# Allegro board S071AA-0413-20260427_Power3.brd (continued)
## Routing (per net, layer and track width the routed paths; a pad name or vN(x,y) marks a point on that pad's centre or on a via; arc(x,y) is an arc through that point) (continued)
118.18,332.74 ; CSDPS225.B6 117.11,333.81 ; 268.44,368.3 D111.B4 ; D111.B4 269.51,369.37 ; D111.B4 269.51,367.23 ; D111.B4 270.58,368.3 ; D108.B6 250.26,40.64 ; D108.B6 249.19,39.57 ; D108.B6 249.19,41.71 ; D108.B6 248.12,40.64 ; 248.12,60.96 D107.B6 ; D107.B6 250.26,60.96 ; D107.B6 249.19,59.89 ; D107.B6 249.19,62.03 ; D115.B2 200.93,369.37 ; D115.B2 200.93,367.23 ; D115.B2 199.86,368.3 ; D115.B2 202,368.3 ; 244.11,39.57 D108.B4 ; D108.B4 244.11,41.71 ; D108.B4 245.18,40.64 ; D108.B4 243.04,40.64 ; 192.24,53.34 D103.A13 ; D103.A13 193.31,54.41 ; D103.A13 194.38,53.34 ; D103.A13 193.31,52.27 ; UHC230.G3_6 49.79,351.79 ; UHC230.G3_6 48.98,350.98 ; UHC230.G3_6 48.98,352.6 ; UHC230.G3_6 48.17,351.79 ; 51.07,77.67 D118.B15 ; D118.B15 51.07,79.81 ; D118.B15 50,78.74 ; D118.B15 52.14,78.74 ; D113.B15 168.98,330.2 ; D113.B15 167.91,331.27 ; D113.B15 166.84,330.2 ; D113.B15 167.91,329.13 ; 118.58,406.4 D428.A5 ; D428.A5 119.65,405.33 ; D428.A5 120.72,406.4 ; D428.A5 119.65,407.47 ; D427.A1 129.81,387.15 ; D427.A1 130.88,386.08 ; D427.A1 128.74,386.08 ; D427.A1 129.81,385.01 ; 52.54,368.3 D231.B2 ; D231.B2 54.68,368.3 ; D231.B2 53.61,369.37 ; D231.B2 53.61,367.23 ; D102.B11 188.23,79.81 ; D102.B11 187.16,78.74 ; D102.B11 188.23,77.67 ; D102.B11 189.3,78.74 ; D114.B14 170.45,349.05 ; D114.B14 169.38,347.98 ; D114.B14 171.52,347.98 ; D114.B14 170.45,346.91 ; D105.B4 245.18,101.6 ; D105.B4 243.04,101.6 ; D105.B4 244.11,100.53 ; D105.B4 244.11,102.67 ; 113.5,58.42 D123.B11 ; D123.B11 115.64,58.42 ; D123.B11 114.57,57.35 ; D123.B11 114.57,59.49 ; 18.05,54.81 D119.A2 ; D119.A2 18.05,56.95 ; D119.A2 19.12,55.88 ; D119.A2 16.98,55.88 ; 23.13,341.83 CSDPS429.B14 ; CSDPS429.B14 23.13,343.97 ; CSDPS429.B14 22.06,342.9 ; CSDPS429.B14 24.2,342.9 ; 88.1,78.74 D122.B1 ; D122.B1 89.17,77.67 ; D122.B1 89.17,79.81 ; D122.B1 90.24,78.74 ; D122.A9 109.49,74.73 ; D122.A9 108.42,73.66 ; D122.A9 109.49,72.59 ; D122.A9 110.56,73.66 ; 27.14,383.54 D431.A12 ; D431.A12 29.28,383.54 ; D431.A12 28.21,384.61 ; D431.A12 28.21,382.47 ; D111.A10 254.27,374.45 ; D111.A10 254.27,372.31 ; D111.A10 253.2,373.38 ; D111.A10 255.34,373.38 ; D120.A6 28.21,36.63 ; D120.A6 28.21,34.49 ; D120.A6 27.14,35.56 ; D120.A6 29.28,35.56 ; 190.77,372.31 D115.A6 ; D115.A6 189.7,373.38 ; D115.A6 190.77,374.45 ; D115.A6 191.84,373.38 ; D117.B6 28.21,102.67 ; D117.B6 27.14,101.6 ; D117.B6 28.21,100.53 ; D117.B6 29.28,101.6 ; D104.A3 167.91,34.09 ; D104.A3 167.91,31.95 ; D104.A3 166.84,33.02 ; D104.A3 168.98,33.02 ; 127.27,382.47 D427.A2 ; D427.A2 128.34,383.54 ; D427.A2 127.27,384.61 ; D427.A2 126.2,383.54 ; 123.66,396.24 D228.A3 ; D228.A3 124.73,395.17 ; D228.A3 124.73,397.31 ; D228.A3 125.8,396.24 ; 240.5,99.06 D105.B3 ; D105.B3 241.57,97.99 ; D105.B3 241.57,100.13 ; D105.B3 242.64,99.06 ; 91.71,100.53 D121.B2 ; D121.B2 90.64,101.6 ; D121.B2 92.78,101.6 ; D121.B2 91.71,102.67 ; 99.33,77.67 D122.B5 ; D122.B5 98.26,78.74 ; D122.B5 99.33,79.81 ; D122.B5 100.4,78.74 ; D431.A1 56.15,387.15 ; D431.A1 55.08,386.08 ; D431.A1 56.15,385.01 ; D431.A1 57.22,386.08 ; D118.A1 16.58,73.66 ; D118.A1 14.44,73.66 ; D118.A1 15.51,72.59 ; D118.A1 15.51,74.73 ; 192.24,78.74 D102.B13 ; D102.B13 194.38,78.74 ; D102.B13 193.31,79.81 ; D102.B13 193.31,77.67 ; 112.03,402.79 D428.A8 ; D428.A8 110.96,403.86 ; D428.A8 112.03,404.93 ; D428.A8 113.1,403.86 ; 98.26,19.05 DPS3.C05 ; DPS3.C05 99.33,20.12 ; DPS3.C05 100.4,19.05 ; DPS3.C05 99.33,17.98 ; 167.91,72.59 D102.A3 ; D102.A3 167.91,74.73 ; D102.A3 168.98,73.66 ; D102.A3 166.84,73.66 ; D121.B14 123.26,101.6 ; D121.B14 121.12,101.6 ; D121.B14 122.19,102.67 ; D121.B14 122.19,100.53 ; 24.6,93.98 D117.A5 ; D117.A5 26.74,93.98 ; D117.A5 25.67,95.05 ; D117.A5 25.67,92.91 ; 47.46,35.56 D120.A14 ; D120.A14 49.6,35.56 ; D120.A14 48.53,36.63 ; D120.A14 48.53,34.49 ; D117.A16 54.68,96.52 ; D117.A16 52.54,96.52 ; D117.A16 53.61,97.59 ; D117.A16 53.61,95.45 ; 122.19,392.63 D228.A4 ; D228.A4 121.12,393.7 ; D228.A4 122.19,394.77 ; D228.A4 123.26,393.7 ; DPS3.B05 99.33,17.58 ; DPS3.B05 98.26,16.51 ; DPS3.B05 100.4,16.51 ; DPS3.B05 99.33,15.44 ; 55.08,415.29 DPS8.A01 ; DPS8.A01 56.15,416.36 ; DPS8.A01 57.22,415.29 ; DPS8.A01 56.15,414.22 ; 270.98,370.84 D111.B3 ; D111.B3 272.05,369.77 ; D111.B3 273.12,370.84 ; D111.B3 272.05,371.91 ; D108.B11 262.96,38.1 ; D108.B11 261.89,37.03 ; D108.B11 260.82,38.1 ; D108.B11 261.89,39.17 ; 179.54,332.74 D113.A10 ; D113.A10 180.61,333.81 ; D113.A10 181.68,332.74 ; D113.A10 180.61,331.67 ; D112.B16 239.03,389.69 ; D112.B16 237.96,388.62 ; D112.B16 240.1,388.62 ; D112.B16 239.03,387.55 ; 18.05,75.13 D118.A2 ; D118.A2 18.05,77.27 ; D118.A2 19.12,76.2 ; D118.A2 16.98,76.2 ; CSDPS426.B16 91.71,364.29 ; CSDPS426.B16 91.71,362.15 ; CSDPS426.B16 92.78,363.22 ; CSDPS426.B16 90.64,363.22 ; D427.A17 90.24,386.08 ; D427.A17 89.17,387.15 ; D427.A17 89.17,385.01 ; D427.A17 88.1,386.08 ; 15.73,349.23 UHC230.G4_10 ; UHC230.G4_10 14.92,350.04 ; UHC230.G4_10 15.73,350.85 ; UHC230.G4_10 16.54,350.04 ; D103.B12 190.77,62.03 ; D103.B12 191.84,60.96 ; D103.B12 189.7,60.96 ; D103.B12 190.77,59.89 ; D105.B1 237.56,99.06 ; D105.B1 236.49,100.13 ; D105.B1 235.42,99.06 ; D105.B1 236.49,97.99 ; 48.53,39.57 D120.B14 ; D120.B14 47.46,40.64 ; D120.B14 48.53,41.71 ; D120.B14 49.6,40.64 ; D111.A12 250.26,373.38 ; D111.A12 249.19,374.45 ; D111.A12 248.12,373.38 ; D111.A12 249.19,372.31 ; D102.B5 172.99,79.81 ; D102.B5 172.99,77.67 ; D102.B5 174.06,78.74 ; D102.B5 171.92,78.74 ; D432.A15 20.59,407.47 ; D432.A15 21.66,406.4 ; D432.A15 19.52,406.4 ; D432.A15 20.59,405.33 ; 272.05,354.53 D110.A3 ; D110.A3 270.98,355.6 ; D110.A3 273.12,355.6 ; D110.A3 272.05,356.67 ; D124.B14 123.26,40.64 ; D124.B14 122.19,39.57 ; D124.B14 122.19,41.71 ; D124.B14 121.12,40.64 ; CSDPS429.B6 44.52,342.9 ; CSDPS429.B6 42.38,342.9 ; CSDPS429.B6 43.45,343.97 ; CSDPS429.B6 43.45,341.83 ; D227.B14 97.86,368.3 ; D227.B14 96.79,367.23 ; D227.B14 96.79,369.37 ; D227.B14 95.72,368.3 ; D102.A8 181.68,76.2 ; D102.A8 179.54,76.2 ; D102.A8 180.61,77.27 ; D102.A8 180.61,75.13 ; D101.A7 178.07,95.05 ; D101.A7 179.14,93.98 ; D101.A7 177,93.98 ; D101.A7 178.07,92.91 ; 248.12,327.66 D109.B12 ; D109.B12 249.19,328.73 ; D109.B12 250.26,327.66 ; D109.B12 249.19,326.59 ; 254.27,346.91 D110.B10 ; D110.B10 253.2,347.98 ; D110.B10 255.34,347.98 ; D110.B10 254.27,349.05 ; D102.A9 183.15,74.73 ; D102.A9 183.15,72.59 ; D102.A9 182.08,73.66 ; D102.A9 184.22,73.66 ; UHC430.G2_11 48.98,359.26 ; UHC430.G2_11 49.79,358.45 ; UHC430.G2_11 48.17,358.45 ; UHC430.G2_11 48.98,357.64 ; 48.53,341.83 CSDPS429.B4 ; CSDPS429.B4 49.6,342.9 ; CSDPS429.B4 47.46,342.9 ; CSDPS429.B4 48.53,343.97 ; 256.81,334.21 D109.A9 ; D109.A9 256.81,336.35 ; D109.A9 257.88,335.28 ; D109.A9 255.74,335.28 ; 174.46,373.38 D115.A12 ; D115.A12 176.6,373.38 ; D115.A12 175.53,372.31 ; D115.A12 175.53,374.45 ; 94.25,349.45 CSDPS226.C15 ; CSDPS226.C15 94.25,351.59 ; CSDPS226.C15 95.32,350.52 ; CSDPS226.C15 93.18,350.52 ; 266.97,31.95 D108.A13 ; D108.A13 268.04,33.02 ; D108.A13 265.9,33.02 ; D108.A13 266.97,34.09 ; 119.65,395.17 D228.A5 ; D228.A5 118.58,396.24 ; D228.A5 119.65,397.31 ; D228.A5 120.72,396.24 ; 259.35,75.13 D106.A10 ; D106.A10 259.35,77.27 ; D106.A10 260.42,76.2 ; D106.A10 258.28,76.2 ; 101.87,402.79 D428.A12 ; D428.A12 100.8,403.86 ; D428.A12 102.94,403.86 ; D428.A12 101.87,404.93 ; D123.B12 117.11,62.03 ; D123.B12 118.18,60.96 ; D123.B12 116.04,60.96 ; D123.B12 117.11,59.89 ; D118.A7 31.82,73.66 ; D118.A7 30.75,74.73 ; D118.A7 30.75,72.59 ; D118.A7 29.68,73.66 ; 274.59,351.99 D110.A2 ; D110.A2 275.66,353.06 ; D110.A2 273.52,353.06 ; D110.A2 274.59,354.13 ; 90.64,76.2 D122.A2 ; D122.A2 91.71,77.27 ; D122.A2 91.71,75.13 ; D122.A2 92.78,76.2 ; UHC230.G4_8 15.39,351.79 ; UHC230.G4_8 14.58,352.6 ; UHC230.G4_8 14.58,350.98 ; UHC230.G4_8 13.77,351.79 ; 253.2,96.52 D105.A8 ; D105.A8 254.27,97.59 ; D105.A8 254.27,95.45 ; D105.A8 255.34,96.52 ; UHC430.G2_10 46.34,360.2 ; UHC430.G2_10 45.53,361.01 ; UHC430.G2_10 44.72,360.2 ; UHC430.G2_10 45.53,359.39 ; 240.5,330.2 D109.B15 ; D109.B15 242.64,330.2 ; D109.B15 241.57,331.27 ; D109.B15 241.57,329.13 ; 198.39,37.03 D104.B15 ; D104.B15 197.32,38.1 ; D104.B15 198.39,39.17 ; D104.B15 199.46,38.1 ; 243.04,368.3 D111.B14 ; D111.B14 245.18,368.3 ; D111.B14 244.11,369.37 ; D111.B14 244.11,367.23 ; 100.8,96.52 D121.A6 ; D121.A6 101.87,95.45 ; D121.A6 101.87,97.59 ; D121.A6 102.94,96.52 ; 37.3,383.54 D431.A8 ; D431.A8 38.37,384.61 ; D431.A8 38.37,382.47 ; D431.A8 39.44,383.54 ; 55.08,410.21 DPS8.C01 ; DPS8.C01 57.22,410.21 ; DPS8.C01 56.15,409.14 ; DPS8.C01 56.15,411.28 ; D118.B7 31.82,78.74 ; D118.B7 30.75,77.67 ; D118.B7 30.75,79.81 ; D118.B7 29.68,78.74 ; 237.96,368.3 D111.B16 ; D111.B16 240.1,368.3 ; D111.B16 239.03,367.23 ; D111.B16 239.03,369.37 ; 23.13,331.67 CSDPS229.B14 ; CSDPS229.B14 24.2,332.74 ; CSDPS229.B14 23.13,333.81 ; CSDPS229.B14 22.06,332.74 ; D121.A11 114.57,95.05 ; D121.A11 115.64,93.98 ; D121.A11 114.57,92.91 ; D121.A11 113.5,93.98 ; D107.B4 245.18,60.96 ; D107.B4 244.11,59.89 ; D107.B4 244.11,62.03 ; D107.B4 243.04,60.96 ; D102.B16 200.93,82.35 ; D102.B16 202,81.28 ; D102.B16 199.86,81.28 ; D102.B16 200.93,80.21 ; D107.B14 270.58,60.96 ; D107.B14 269.51,62.03 ; D107.B14 268.44,60.96 ; D107.B14 269.51,59.89 ; 129.81,349.45 CSDPS226.C1 ; CSDPS226.C1 130.88,350.52 ; CSDPS226.C1 128.74,350.52 ; CSDPS226.C1 129.81,351.59 ; D117.B14 48.53,102.67 ; D117.B14 49.6,101.6 ; D117.B14 48.53,100.53 ; D117.B14 47.46,101.6 ; 124.73,359.61 CSDPS426.C3 ; CSDPS426.C3 124.73,361.75 ; CSDPS426.C3 125.8,360.68 ; CSDPS426.C3 123.66,360.68 ; D431.A4 48.53,384.61 ; D431.A4 48.53,382.47 ; D431.A4 49.6,383.54 ; D431.A4 47.46,383.54 ; 121.12,81.28 D122.B14 ; D122.B14 122.19,80.21 ; D122.B14 122.19,82.35 ; D122.B14 123.26,81.28 ; D228.B7 114.57,392.23 ; D228.B7 115.64,391.16 ; D228.B7 114.57,390.09 ; D228.B7 113.5,391.16 ; D112.A15 241.57,397.31 ; D112.A15 240.5,396.24 ; D112.A15 242.64,396.24 ; D112.A15 241.57,395.17 ; D119.A1 16.58,53.34 ; D119.A1 15.51,54.41 ; D119.A1 15.51,52.27 ; D119.A1 14.44,53.34 ; UHC430.G1_9 18.84,360.2 ; UHC430.G1_9 18.03,361.01 ; UHC430.G1_9 17.22,360.2 ; UHC430.G1_9 18.03,359.39 ; D113.A15 168.98,335.28 ; D113.A15 166.84,335.28 ; D113.A15 167.91,334.21 ; D113.A15 167.91,336.35 ; CSDPS425.C15 95.32,340.36 ; CSDPS425.C15 94.25,341.43 ; CSDPS425.C15 94.25,339.29 ; CSDPS425.C15 93.18,340.36 ; 112.03,387.55 D228.B8 ; D228.B8 110.96,388.62 ; D228.B8 112.03,389.69 ; D228.B8 113.1,388.62 ; D101.B16 202,101.6 ; D101.B16 199.86,101.6 ; D101.B16 200.93,102.67 ; D101.B16 200.93,100.53 ; 116.04,378.46 D427.B6 ; D427.B6 117.11,377.39 ; D427.B6 117.11,379.53 ; D427.B6 118.18,378.46 ; 105.88,393.7 D228.A10 ; D228.A10 106.95,394.77 ; D228.A10 108.02,393.7 ; D228.A10 106.95,392.63 ; D120.A8 33.29,36.63 ; D120.A8 34.36,35.56 ; D120.A8 32.22,35.56 ; D120.A8 33.29,34.49 ; D118.A10 38.37,77.27 ; D118.A10 37.3,76.2 ; D118.A10 39.44,76.2 ; D118.A10 38.37,75.13 ; 103.34,38.1 D124.B7 ; D124.B7 104.41,37.03 ; D124.B7 104.41,39.17 ; D124.B7 105.48,38.1 ; D115.B15 167.91,371.91 ; D115.B15 167.91,369.77 ; D115.B15 168.98,370.84 ; D115.B15 166.84,370.84 ; D101.B12 190.77,102.67 ; D101.B12 190.77,100.53 ; D101.B12 191.84,101.6 ; D101.B12 189.7,101.6 ; D116.A16 166.44,393.7 ; D116.A16 164.3,393.7 ; D116.A16 165.37,394.77 ; D116.A16 165.37,392.63 ; D228.A11 104.41,397.31 ; D228.A11 104.41,395.17 ; D228.A11 103.34,396.24 ; D228.A11 105.48,396.24 ; 124.73,390.09 D228.B3 ; D228.B3 124.73,392.23 ; D228.B3 125.8,391.16 ; D228.B3 123.66,391.16 ; D105.B11 261.89,100.13 ; D105.B11 262.96,99.06 ; D105.B11 261.89,97.99 ; D105.B11 260.82,99.06 ; 48.53,372.31 D231.A4 ; D231.A4 48.53,374.45 ; D231.A4 49.6,373.38 ; D231.A4 47.46,373.38 ; D104.A5 172.99,34.09 ; D104.A5 171.92,33.02 ; D104.A5 174.06,33.02 ; D104.A5 172.99,31.95 ; 266.97,329.13 D109.B5 ; D109.B5 265.9,330.2 ; D109.B5 266.97,331.27 ; D109.B5 268.04,330.2 ; 240.5,391.16 D112.B15 ; D112.B15 241.57,392.23 ; D112.B15 241.57,390.09 ; D112.B15 242.64,391.16 ; 265.9,375.92 D111.A5 ; D111.A5 266.97,376.99 ; D111.A5 268.04,375.92 ; D111.A5 266.97,374.85 ; D428.A11 105.48,406.4 ; D428.A11 104.41,405.33 ; D428.A11 103.34,406.4 ; D428.A11 104.41,407.47 ; D114.A16 166.44,353.06 ; D114.A16 165.37,354.13 ; D114.A16 164.3,353.06 ; D114.A16 165.37,351.99 ; DPS1.C01 236.49,20.12 ; DPS1.C01 236.49,17.98 ; DPS1.C01 237.56,19.05 ; DPS1.C01 235.42,19.05 ; D122.B11 115.64,78.74 ; D122.B11 114.57,77.67 ; D122.B11 113.5,78.74 ; D122.B11 114.57,79.81 ; D107.B5 246.65,59.49 ; D107.B5 247.72,58.42 ; D107.B5 246.65,57.35 ; D107.B5 245.58,58.42 ; D231.A13 25.67,376.99 ; D231.A13 24.6,375.92 ; D231.A13 25.67,374.85 ; D231.A13 26.74,375.92 ; D118.A5 25.67,74.73 ; D118.A5 24.6,73.66 ; D118.A5 25.67,72.59 ; D118.A5 26.74,73.66 ; 47.46,60.96 D119.B14 ; D119.B14 49.6,60.96 ; D119.B14 48.53,59.89 ; D119.B14 48.53,62.03 ; D101.B11 188.23,100.13 ; D101.B11 187.16,99.06 ; D101.B11 189.3,99.06 ; D101.B11 188.23,97.99 ; 241.57,77.67 D106.B3 ; D106.B3 240.5,78.74 ; D106.B3 241.57,79.81 ; D106.B3 242.64,78.74 ; 174.46,101.6 D101.B6 ; D101.B6 176.6,101.6 ; D101.B6 175.53,100.53 ; D101.B6 175.53,102.67 ; DPS1.C11 262.96,19.05 ; DPS1.C11 260.82,19.05 ; DPS1.C11 261.89,20.12 ; DPS1.C11 261.89,17.98 ; D432.B15 20.59,402.39 ; D432.B15 19.52,401.32 ; D432.B15 20.59,400.25 ; D432.B15 21.66,401.32 ; 258.28,347.98 D110.B8 ; D110.B8 259.35,349.05 ; D110.B8 259.35,346.91 ; D110.B8 260.42,347.98 ; 53.61,331.67 CSDPS229.B2 ; CSDPS229.B2 54.68,332.74 ; CSDPS229.B2 53.61,333.81 ; CSDPS229.B2 52.54,332.74 ; 94.25,395.17 D228.A15 ; D228.A15 95.32,396.24 ; D228.A15 94.25,397.31 ; D228.A15 93.18,396.24 ; 193.31,31.95 D104.A13 ; D104.A13 193.31,34.09 ; D104.A13 194.38,33.02 ; D104.A13 192.24,33.02 ; UHC230.G3_2 47.49,355.29 ; UHC230.G3_2 46.68,354.48 ; UHC230.G3_2 46.68,356.1 ; UHC230.G3_2 45.87,355.29 ; 22.06,383.54 D431.A14 ; D431.A14 23.13,384.61 ; D431.A14 24.2,383.54 ; D431.A14 23.13,382.47 ; 113.5,330.2 CSDPS225.C7 ; CSDPS225.C7 114.57,331.27 ; CSDPS225.C7 114.57,329.13 ; CSDPS225.C7 115.64,330.2 ; 14.44,375.92 D231.A17 ; D231.A17 15.51,374.85 ; D231.A17 16.58,375.92 ; D231.A17 15.51,376.99 ; CSDPS429.C3 51.07,341.43 ; CSDPS429.C3 52.14,340.36 ; CSDPS429.C3 51.07,339.29 ; CSDPS429.C3 50,340.36 ; 43.45,39.57 D120.B12 ; D120.B12 42.38,40.64 ; D120.B12 43.45,41.71 ; D120.B12 44.52,40.64 ; 99.33,390.09 D228.B13 ; D228.B13 98.26,391.16 ; D228.B13 99.33,392.23 ; D228.B13 100.4,391.16 ; D115.B14 171.52,368.3 ; D115.B14 170.45,367.23 ; D115.B14 170.45,369.37 ; D115.B14 169.38,368.3 ; D431.A11 31.82,386.08 ; D431.A11 30.75,387.15 ; D431.A11 30.75,385.01 ; D431.A11 29.68,386.08 ; 246.65,52.27 D107.A5 ; D107.A5 246.65,54.41 ; D107.A5 247.72,53.34 ; D107.A5 245.58,53.34 ; 192.24,335.28 D113.A5 ; D113.A5 194.38,335.28 ; D113.A5 193.31,334.21 ; D113.A5 193.31,336.35 ; 194.78,76.2 D102.A14 ; D102.A14 195.85,75.13 ; D102.A14 195.85,77.27 ; D102.A14 196.92,76.2 ; D108.B9 257.88,38.1 ; D108.B9 255.74,38.1 ; D108.B9 256.81,39.17 ; D108.B9 256.81,37.03 ; 237.96,55.88 D107.A2 ; D107.A2 239.03,54.81 ; D107.A2 239.03,56.95 ; D107.A2 240.1,55.88 ; D104.A10 185.69,36.63 ; D104.A10 186.76,35.56 ; D104.A10 185.69,34.49 ; D104.A10 184.62,35.56 ; D106.A7 251.73,74.73 ; D106.A7 250.66,73.66 ; D106.A7 252.8,73.66 ; D106.A7 251.73,72.59 ; 98.26,73.66 D122.A5 ; D122.A5 99.33,74.73 ; D122.A5 99.33,72.59 ; D122.A5 100.4,73.66 ; 20.59,31.95 D120.A3 ; D120.A3 19.52,33.02 ; D120.A3 21.66,33.02 ; D120.A3 20.59,34.09 ; D115.A4 195.85,374.45 ; D115.A4 194.78,373.38 ; D115.A4 195.85,372.31 ; D115.A4 196.92,373.38 ; 124.73,379.93 D427.B3 ; D427.B3 125.8,381 ; D427.B3 124.73,382.07 ; D427.B3 123.66,381 ; D118.A13 45.99,74.73 ; D118.A13 47.06,73.66 ; D118.A13 45.99,72.59 ; D118.A13 44.92,73.66 ; D121.A2 92.78,96.52 ; D121.A2 91.71,95.45 ; D121.A2 90.64,96.52 ; D121.A2 91.71,97.59 ; D116.A1 203.47,397.31 ; D116.A1 203.47,395.17 ; D116.A1 204.54,396.24 ; D116.A1 202.4,396.24 ; DPS1.C05 247.72,19.05 ; DPS1.C05 246.65,20.12 ; DPS1.C05 245.58,19.05 ; DPS1.C05 246.65,17.98 ; 259.35,351.99 D110.A8 ; D110.A8 259.35,354.13 ; D110.A8 260.42,353.06 ; D110.A8 258.28,353.06 ; D110.B14 245.18,347.98 ; D110.B14 244.11,349.05 ; D110.B14 244.11,346.91 ; D110.B14 243.04,347.98 ; D118.B6 29.28,81.28 ; D118.B6 28.21,82.35 ; D118.B6 28.21,80.21 ; D118.B6 27.14,81.28 ; D118.B8 34.36,81.28 ; D118.B8 32.22,81.28 ; D118.B8 33.29,82.35 ; D118.B8 33.29,80.21 ; 50,58.42 D119.B15 ; D119.B15 52.14,58.42 ; D119.B15 51.07,57.35 ; D119.B15 51.07,59.49 ; 250.66,370.84 D111.B11 ; D111.B11 251.73,369.77 ; D111.B11 251.73,371.91 ; D111.B11 252.8,370.84 ; D121.A9 110.56,93.98 ; D121.A9 109.49,95.05 ; D121.A9 109.49,92.91 ; D121.A9 108.42,93.98 ; 243.04,373.38 D111.A14 ; D111.A14 244.11,372.31 ; D111.A14 244.11,374.45 ; D111.A14 245.18,373.38 ; D105.B9 257.88,99.06 ; D105.B9 256.81,100.13 ; D105.B9 255.74,99.06 ; D105.B9 256.81,97.99 ; D118.B12 43.45,82.35 ; D118.B12 42.38,81.28 ; D118.B12 43.45,80.21 ; D118.B12 44.52,81.28 ; D428.B15 95.32,401.32 ; D428.B15 94.25,402.39 ; D428.B15 93.18,401.32 ; D428.B15 94.25,400.25 ; 32.22,60.96 D119.B8 ; D119.B8 33.29,59.89 ; D119.B8 34.36,60.96 ; D119.B8 33.29,62.03 ; 179.54,353.06 D114.A10 ; D114.A10 181.68,353.06 ; D114.A10 180.61,354.13 ; D114.A10 180.61,351.99 ; D124.B5 99.33,39.17 ; D124.B5 100.4,38.1 ; D124.B5 99.33,37.03 ; D124.B5 98.26,38.1 ; UHC230.G4_12 17.69,348.29 ; UHC230.G4_12 16.88,347.48 ; UHC230.G4_12 16.07,348.29 ; UHC230.G4_12 16.88,349.1 ; DPS2.B01 203.47,413.82 ; DPS2.B01 202.4,412.75 ; DPS2.B01 203.47,411.68 ; DPS2.B01 204.54,412.75 ; 129.81,390.09 D228.B1 ; D228.B1 128.74,391.16 ; D228.B1 129.81,392.23 ; D228.B1 130.88,391.16 ; D109.A12 249.19,333.81 ; D109.A12 250.26,332.74 ; D109.A12 249.19,331.67 ; D109.A12 248.12,332.74 ; 96.79,331.67 CSDPS225.B14 ; CSDPS225.B14 95.72,332.74 ; CSDPS225.B14 96.79,333.81 ; CSDPS225.B14 97.86,332.74 ; 259.35,95.45 D105.A10 ; D105.A10 260.42,96.52 ; D105.A10 258.28,96.52 ; D105.A10 259.35,97.59 ; 39.84,78.74 D118.B11 ; D118.B11 41.98,78.74 ; D118.B11 40.91,77.67 ; D118.B11 40.91,79.81 ; D227.B17 90.24,370.84 ; D227.B17 88.1,370.84 ; D227.B17 89.17,371.91 ; D227.B17 89.17,369.77 ; UHC230.G3_11 48.98,349.1 ; UHC230.G3_11 49.79,348.29 ; UHC230.G3_11 48.17,348.29 ; UHC230.G3_11 48.98,347.48 ; D232.A1 56.15,397.31 ; D232.A1 56.15,395.17 ; D232.A1 57.22,396.24 ; D232.A1 55.08,396.24 ; 124.73,52.27 D123.A15 ; D123.A15 125.8,53.34 ; D123.A15 123.66,53.34 ; D123.A15 124.73,54.41 ; 269.51,387.55 D112.B4 ; D112.B4 269.51,389.69 ; D112.B4 268.44,388.62 ; D112.B4 270.58,388.62 ; 38.37,80.21 D118.B10 ; D118.B10 37.3,81.28 ; D118.B10 39.44,81.28 ; D118.B10 38.37,82.35 ; 53.61,54.81 D119.A16 ; D119.A16 52.54,55.88 ; D119.A16 53.61,56.95 ; D119.A16 54.68,55.88 ; 258.28,332.74 D109.A8 ; D109.A8 259.35,333.81 ; D109.A8 260.42,332.74 ; D109.A8 259.35,331.67 ; D117.A14 48.53,97.59 ; D117.A14 47.46,96.52 ; D117.A14 49.6,96.52 ; D117.A14 48.53,95.45 ; 273.52,101.6 D105.B16 ; D105.B16 274.59,102.67 ; D105.B16 275.66,101.6 ; D105.B16 274.59,100.53 ; 20.59,97.99 D117.B3 ; D117.B3 21.66,99.06 ; D117.B3 19.52,99.06 ; D117.B3 20.59,100.13 ; 51.07,92.91 D117.A15 ; D117.A15 52.14,93.98 ; D117.A15 50,93.98 ; D117.A15 51.07,95.05 ; D104.A14 195.85,36.63 ; D104.A14 194.78,35.56 ; D104.A14 196.92,35.56 ; D104.A14 195.85,34.49 ; D103.B5 172.99,59.49 ; D103.B5 172.99,57.35 ; D103.B5 174.06,58.42 ; D103.B5 171.92,58.42 ; 187.16,350.52 D114.B7 ; D114.B7 189.3,350.52 ; D114.B7 188.23,351.59 ; D114.B7 188.23,349.45 ; D116.B1 204.54,391.16 ; D116.B1 203.47,390.09 ; D116.B1 202.4,391.16 ; D116.B1 203.47,392.23 ; D231.A11 30.75,376.99 ; D231.A11 29.68,375.92 ; D231.A11 31.82,375.92 ; D231.A11 30.75,374.85 ; UHC230.G3_9 48.64,350.04 ; UHC230.G3_9 47.02,350.04 ; UHC230.G3_9 47.83,350.85 ; UHC230.G3_9 47.83,349.23 ; 246.65,77.67 D106.B5 ; D106.B5 247.72,78.74 ; D106.B5 246.65,79.81 ; D106.B5 245.58,78.74 ; 194.78,332.74 D113.A4 ; D113.A4 195.85,333.81 ; D113.A4 195.85,331.67 ; D113.A4 196.92,332.74 ; 22.06,378.46 D431.B14 ; D431.B14 24.2,378.46 ; D431.B14 23.13,379.53 ; D431.B14 23.13,377.39 ; 166.84,350.52 D114.B15 ; D114.B15 168.98,350.52 ; D114.B15 167.91,351.59 ; D114.B15 167.91,349.45 ; D123.A12 118.18,55.88 ; D123.A12 117.11,56.95 ; D123.A12 117.11,54.81 ; D123.A12 116.04,55.88 ; 101.87,362.15 CSDPS426.B12 ; CSDPS426.B12 100.8,363.22 ; CSDPS426.B12 102.94,363.22 ; CSDPS426.B12 101.87,364.29 ; 258.28,393.7 D112.A8 ; D112.A8 259.35,394.77 ; D112.A8 259.35,392.63 ; D112.A8 260.42,393.7 ; 14.58,347.48 UHC230.G4_13 ; UHC230.G4_13 15.39,348.29 ; UHC230.G4_13 13.77,348.29 ; UHC230.G4_13 14.58,349.1 ; D110.B5 266.97,351.59 ; D110.B5 265.9,350.52 ; D110.B5 266.97,349.45 ; D110.B5 268.04,350.52 ; 183.15,369.77 D115.B9 ; D115.B9 182.08,370.84 ; D115.B9 184.22,370.84 ; D115.B9 183.15,371.91 ; D108.B13 268.04,38.1 ; D108.B13 266.97,37.03 ; D108.B13 265.9,38.1 ; D108.B13 266.97,39.17 ; 99.33,405.33 D428.A13 ; D428.A13 99.33,407.47 ; D428.A13 100.4,406.4 ; D428.A13 98.26,406.4 ; CSDPS229.B4 48.53,333.81 ; CSDPS229.B4 49.6,332.74 ; CSDPS229.B4 48.53,331.67 ; CSDPS229.B4 47.46,332.74 ; 50,370.84 D231.B3 ; D231.B3 52.14,370.84 ; D231.B3 51.07,371.91 ; D231.B3 51.07,369.77 ; 198.39,31.95 D104.A15 ; D104.A15 197.32,33.02 ; D104.A15 198.39,34.09 ; D104.A15 199.46,33.02 ; 45.99,92.91 D117.A13 ; D117.A13 45.99,95.05 ; D117.A13 44.92,93.98 ; D117.A13 47.06,93.98 ; 178.07,374.85 D115.A11 ; D115.A11 177,375.92 ; D115.A11 179.14,375.92 ; D115.A11 178.07,376.99 ; D103.B6 175.53,62.03 ; D103.B6 174.46,60.96 ; D103.B6 176.6,60.96 ; D103.B6 175.53,59.89 ; D119.A5 26.74,53.34 ; D119.A5 25.67,54.41 ; D119.A5 25.67,52.27 ; D119.A5 24.6,53.34 ; UHC430.G2_13 44.38,359.26 ; UHC430.G2_13 45.19,358.45 ; UHC430.G2_13 44.38,357.64 ; UHC430.G2_13 43.57,358.45 ; 161.76,78.74 D102.B1 ; D102.B1 162.83,79.81 ; D102.B1 163.9,78.74 ; D102.B1 162.83,77.67 ; D102.A13 194.38,73.66 ; D102.A13 192.24,73.66 ; D102.A13 193.31,72.59 ; D102.A13 193.31,74.73 ; D115.A10 181.68,373.38 ; D115.A10 180.61,372.31 ; D115.A10 180.61,374.45 ; D115.A10 179.54,373.38 ; D431.A3 52.14,386.08 ; D431.A3 51.07,387.15 ; D431.A3 50,386.08 ; D431.A3 51.07,385.01 ; 277.13,329.13 D109.B1 ; D109.B1 277.13,331.27 ; D109.B1 276.06,330.2 ; D109.B1 278.2,330.2 ; D428.A9 109.49,407.47 ; D428.A9 108.42,406.4 ; D428.A9 110.56,406.4 ; D428.A9 109.49,405.33 ; D123.B15 125.8,58.42 ; D123.B15 124.73,59.49 ; D123.B15 123.66,58.42 ; D123.B15 124.73,57.35 ; 51.07,329.13 CSDPS229.C3 ; CSDPS229.C3 51.07,331.27 ; CSDPS229.C3 50,330.2 ; CSDPS229.C3 52.14,330.2 ; D108.A14 269.51,36.63 ; D108.A14 268.44,35.56 ; D108.A14 270.58,35.56 ; D108.A14 269.51,34.49 ; D123.A3 95.32,53.34 ; D123.A3 94.25,52.27 ; D123.A3 93.18,53.34 ; D123.A3 94.25,54.41 ; D428.B2 128.34,398.78 ; D428.B2 126.2,398.78 ; D428.B2 127.27,397.71 ; D428.B2 127.27,399.85 ; CSDPS226.B2 128.34,353.06 ; CSDPS226.B2 127.27,354.13 ; CSDPS226.B2 126.2,353.06 ; CSDPS226.B2 127.27,351.99 ; D123.B13 120.72,58.42 ; D123.B13 119.65,57.35 ; D123.B13 118.58,58.42 ; D123.B13 119.65,59.49 ; 122.19,54.81 D123.A14 ; D123.A14 122.19,56.95 ; D123.A14 121.12,55.88 ; D123.A14 123.26,55.88 ; DPS8.A11 31.82,415.29 ; DPS8.A11 29.68,415.29 ; DPS8.A11 30.75,414.22 ; D431.B17 16.58,381 ; D431.B17 15.51,379.93 ; D431.B17 15.51,382.07 ; D431.B17 14.44,381 ; CSDPS425.B6 117.11,343.97 ; CSDPS425.B6 118.18,342.9 ; CSDPS425.B6 117.11,341.83 ; CSDPS425.B6 116.04,342.9 ; 190.77,346.91 D114.B6 ; D114.B6 191.84,347.98 ; D114.B6 189.7,347.98 ; D114.B6 190.77,349.05 ; 119.65,92.91 D121.A13 ; D121.A13 118.58,93.98 ; D121.A13 119.65,95.05 ; D121.A13 120.72,93.98 ; 28.21,367.23 D231.B12 ; D231.B12 28.21,369.37 ; D231.B12 29.28,368.3 ; D231.B12 27.14,368.3 ; 14.44,370.84 D231.B17 ; D231.B17 15.51,369.77 ; D231.B17 16.58,370.84 ; D231.B17 15.51,371.91 ; 16.98,40.64 D120.B2 ; D120.B2 19.12,40.64 ; D120.B2 18.05,39.57 ; D120.B2 18.05,41.71 ; 100.8,393.7 D228.A12 ; D228.A12 102.94,393.7 ; D228.A12 101.87,394.77 ; D228.A12 101.87,392.63 ; D108.B1 237.56,38.1 ; D108.B1 235.42,38.1 ; D108.B1 236.49,37.03 ; D108.B1 236.49,39.17 ; 180.61,34.49 D104.A8 ; D104.A8 179.54,35.56 ; D104.A8 181.68,35.56 ; D104.A8 180.61,36.63 ; 269.51,331.67 D109.A4 ; D109.A4 269.51,333.81 ; D109.A4 268.44,332.74 ; D109.A4 270.58,332.74 ; 164.3,373.38 D115.A16 ; D115.A16 165.37,374.45 ; D115.A16 165.37,372.31 ; D115.A16 166.44,373.38 ; 45.87,351.79 UHC230.G3 ; UHC230.G3 47.49,351.79 ; UHC230.G3 46.68,352.6 ; UHC230.G3 46.68,350.98 ; 45.53,362.89 UHC430.G2_5 ; UHC430.G2_5 44.72,363.7 ; UHC430.G2_5 45.53,364.51 ; UHC430.G2_5 46.34,363.7 ; D109.A1 278.2,335.28 ; D109.A1 277.13,336.35 ; D109.A1 277.13,334.21 ; D109.A1 276.06,335.28 ; 40.91,400.25 D432.B7 ; D432.B7 39.84,401.32 ; D432.B7 40.91,402.39 ; D432.B7 41.98,401.32 ; D227.A2 128.34,373.38 ; D227.A2 127.27,372.31 ; D227.A2 126.2,373.38 ; D227.A2 127.27,374.45 ; 243.04,388.62 D112.B14 ; D112.B14 245.18,388.62 ; D112.B14 244.11,389.69 ; D112.B14 244.11,387.55 ; D122.B3 94.25,79.81 ; D122.B3 93.18,78.74 ; D122.B3 94.25,77.67 ; D122.B3 95.32,78.74 ; 98.26,340.36 CSDPS425.C13 ; CSDPS425.C13 99.33,341.43 ; CSDPS425.C13 99.33,339.29 ; CSDPS425.C13 100.4,340.36 ; D102.B14 195.85,82.35 ; D102.B14 196.92,81.28 ; D102.B14 194.78,81.28 ; D102.B14 195.85,80.21 ; 29.68,381 D431.B11 ; D431.B11 30.75,379.93 ; D431.B11 30.75,382.07 ; D431.B11 31.82,381 ; D110.B3 273.12,350.52 ; D110.B3 270.98,350.52 ; D110.B3 272.05,351.59 ; D110.B3 272.05,349.45 ; 101.87,34.49 D124.A6 ; D124.A6 102.94,35.56 ; D124.A6 100.8,35.56 ; D124.A6 101.87,36.63 ; 40.91,385.01 D431.A7 ; D431.A7 39.84,386.08 ; D431.A7 40.91,387.15 ; D431.A7 41.98,386.08 ; D108.A16 274.59,36.63 ; D108.A16 273.52,35.56 ; D108.A16 275.66,35.56 ; D108.A16 274.59,34.49 ; 116.04,398.78 D428.B6 ; D428.B6 118.18,398.78 ; D428.B6 117.11,397.71 ; D428.B6 117.11,399.85 ; 177,38.1 D104.B7 ; D104.B7 178.07,39.17 ; D104.B7 178.07,37.03 ; D104.B7 179.14,38.1 ; UHC430.G1_11 19.99,358.45 ; UHC430.G1_11 19.18,359.26 ; UHC430.G1_11 19.18,357.64 ; UHC430.G1_11 18.37,358.45 ; 126.2,393.7 D228.A2 ; D228.A2 127.27,394.77 ; D228.A2 127.27,392.63 ; D228.A2 128.34,393.7 ; 183.15,97.99 D101.B9 ; D101.B9 182.08,99.06 ; D101.B9 184.22,99.06 ; D101.B9 183.15,100.13 ; D232.A17 16.58,396.24 ; D232.A17 15.51,397.31 ; D232.A17 15.51,395.17 ; D232.A17 14.44,396.24 ; 122.19,402.79 D428.A4 ; D428.A4 121.12,403.86 ; D428.A4 123.26,403.86 ; D428.A4 122.19,404.93 ; D427.B11 105.48,381 ; D427.B11 104.41,382.07 ; D427.B11 104.41,379.93 ; D427.B11 103.34,381 ; 118.58,99.06 D121.B13 ; D121.B13 119.65,100.13 ; D121.B13 120.72,99.06 ; D121.B13 119.65,97.99 ; 40.91,31.95 D120.A11 ; D120.A11 41.98,33.02 ; D120.A11 40.91,34.09 ; D120.A11 39.84,33.02 ; D105.B14 269.51,102.67 ; D105.B14 268.44,101.6 ; D105.B14 270.58,101.6 ; D105.B14 269.51,100.53 ; D105.A5 246.65,95.05 ; D105.A5 247.72,93.98 ; D105.A5 246.65,92.91 ; D105.A5 245.58,93.98 ; 94.25,31.95 D124.A3 ; D124.A3 95.32,33.02 ; D124.A3 94.25,34.09 ; D124.A3 93.18,33.02 ; D107.B8 254.27,62.03 ; D107.B8 255.34,60.96 ; D107.B8 253.2,60.96 ; D107.B8 254.27,59.89 ; CSDPS429.C5 47.06,340.36 ; CSDPS429.C5 45.99,339.29 ; CSDPS429.C5 44.92,340.36 ; CSDPS429.C5 45.99,341.43 ; 90.64,332.74 CSDPS225.B16 ; CSDPS225.B16 91.71,331.67 ; CSDPS225.B16 92.78,332.74 ; CSDPS225.B16 91.71,333.81 ; 37.3,393.7 D232.A8 ; D232.A8 38.37,394.77 ; D232.A8 38.37,392.63 ; D232.A8 39.44,393.7 ; 117.11,95.45 D121.A12 ; D121.A12 117.11,97.59 ; D121.A12 118.18,96.52 ; D121.A12 116.04,96.52 ; 27.14,55.88 D119.A6 ; D119.A6 29.28,55.88 ; D119.A6 28.21,56.95 ; D119.A6 28.21,54.81 ; 34.76,396.24 D232.A9 ; D232.A9 35.83,395.17 ; D232.A9 36.9,396.24 ; D232.A9 35.83,397.31 ; D116.A10 180.61,394.77 ; D116.A10 180.61,392.63 ; D116.A10 179.54,393.7 ; D116.A10 181.68,393.7 ; 19.52,396.24 D232.A15 ; D232.A15 20.59,395.17 ; D232.A15 20.59,397.31 ; D232.A15 21.66,396.24 ; D106.A14 269.51,77.27 ; D106.A14 269.51,75.13 ; D106.A14 268.44,76.2 ; D106.A14 270.58,76.2 ; D232.A3 51.07,397.31 ; D232.A3 52.14,396.24 ; D232.A3 50,396.24 ; D232.A3 51.07,395.17 ; 198.39,390.09 D116.B3 ; D116.B3 197.32,391.16 ; D116.B3 199.46,391.16 ; D116.B3 198.39,392.23 ; D432.A8 39.44,403.86 ; D432.A8 38.37,404.93 ; D432.A8 37.3,403.86 ; D432.A8 38.37,402.79 ; D427.B1 129.81,382.07 ; D427.B1 128.74,381 ; D427.B1 130.88,381 ; D427.B1 129.81,379.93 ; 104.41,369.77 D227.B11 ; D227.B11 104.41,371.91 ; D227.B11 103.34,370.84 ; D227.B11 105.48,370.84 ; D110.B11 251.73,351.59 ; D110.B11 250.66,350.52 ; D110.B11 252.8,350.52 ; D110.B11 251.73,349.45 ; 264.43,326.59 D109.B6 ; D109.B6 264.43,328.73 ; D109.B6 263.36,327.66 ; D109.B6 265.5,327.66 ; 183.15,52.27 D103.A9 ; D103.A9 182.08,53.34 ; D103.A9 184.22,53.34 ; D103.A9 183.15,54.41 ; D428.B13 99.33,402.39 ; D428.B13 100.4,401.32 ; D428.B13 98.26,401.32 ; D428.B13 99.33,400.25 ; D124.A12 118.18,35.56 ; D124.A12 116.04,35.56 ; D124.A12 117.11,36.63 ; D124.A12 117.11,34.49 ; CSDPS426.C11 104.41,361.75 ; CSDPS426.C11 104.41,359.61 ; CSDPS426.C11 105.48,360.68 ; CSDPS426.C11 103.34,360.68 ; D106.B9 256.81,79.81 ; D106.B9 257.88,78.74 ; D106.B9 255.74,78.74 ; D106.B9 256.81,77.67 ; 249.19,75.13 D106.A6 ; D106.A6 250.26,76.2 ; D106.A6 249.19,77.27 ; D106.A6 248.12,76.2 ; D111.A8 260.42,373.38 ; D111.A8 259.35,372.31 ; D111.A8 258.28,373.38 ; D111.A8 259.35,374.45 ; D120.B4 23.13,41.71 ; D120.B4 22.06,40.64 ; D120.B4 23.13,39.57 ; D120.B4 24.2,40.64 ; UHC430.G1_3 15.39,365.45 ; UHC430.G1_3 14.58,364.64 ; UHC430.G1_3 14.58,366.26 ; UHC430.G1_3 13.77,365.45 ; D117.B16 53.61,102.67 ; D117.B16 53.61,100.53 ; D117.B16 54.68,101.6 ; D117.B16 52.54,101.6 ; 122.19,397.71 D428.B4 ; D428.B4 123.26,398.78 ; D428.B4 122.19,399.85 ; D428.B4 121.12,398.78 ; 109.49,57.35 D123.B9 ; D123.B9 109.49,59.49 ; D123.B9 110.56,58.42 ; D123.B9 108.42,58.42 ; D227.B2 127.27,369.37 ; D227.B2 128.34,368.3 ; D227.B2 126.2,368.3 ; D227.B2 127.27,367.23 ; D103.A10 185.69,56.95 ; D103.A10 186.76,55.88 ; D103.A10 185.69,54.81 ; D103.A10 184.62,55.88 ; 255.74,350.52 D110.B9 ; D110.B9 257.88,350.52 ; D110.B9 256.81,351.59 ; D110.B9 256.81,349.45 ; 15.51,390.09 D232.B17 ; D232.B17 15.51,392.23 ; D232.B17 14.44,391.16 ; D232.B17 16.58,391.16 ; UHC230.G4_3 14.58,356.1 ; UHC230.G4_3 15.39,355.29 ; UHC230.G4_3 13.77,355.29 ; UHC230.G4_3 14.58,354.48 ; D117.B7 30.75,100.13 ; D117.B7 31.82,99.06 ; D117.B7 29.68,99.06 ; D117.B7 30.75,97.99 ; 203.47,354.53 D114.A1 ; D114.A1 203.47,356.67 ; D114.A1 202.4,355.6 ; D114.A1 204.54,355.6 ; 161.76,53.34 D103.A1 ; D103.A1 162.83,52.27 ; D103.A1 163.9,53.34 ; D103.A1 162.83,54.41 ; 246.65,334.21 D109.A13 ; D109.A13 247.72,335.28 ; D109.A13 245.58,335.28 ; D109.A13 246.65,336.35 ; D431.B15 21.66,381 ; D431.B15 19.52,381 ; D431.B15 20.59,379.93 ; D431.B15 20.59,382.07 ; UHC430.G2_12 46.68,359.26 ; UHC430.G2_12 46.68,357.64 ; UHC430.G2_12 47.49,358.45 ; UHC430.G2_12 45.87,358.45 ; 263.36,40.64 D108.B12 ; D108.B12 265.5,40.64 ; D108.B12 264.43,41.71 ; D108.B12 264.43,39.57 ; D111.A11 252.8,375.92 ; D111.A11 250.66,375.92 ; D111.A11 251.73,374.85 ; D111.A11 251.73,376.99 ; 269.51,351.99 D110.A4 ; D110.A4 269.51,354.13 ; D110.A4 270.58,353.06 ; D110.A4 268.44,353.06 ; 27.14,388.62 D232.B12 ; D232.B12 29.28,388.62 ; D232.B12 28.21,387.55 ; D232.B12 28.21,389.69 ; D228.A9 109.49,397.31 ; D228.A9 108.42,396.24 ; D228.A9 110.56,396.24 ; D228.A9 109.49,395.17 ; 190.77,95.45 D101.A12 ; D101.A12 190.77,97.59 ; D101.A12 191.84,96.52 ; D101.A12 189.7,96.52 ; 44.92,381 D431.B5 ; D431.B5 47.06,381 ; D431.B5 45.99,379.93 ; D431.B5 45.99,382.07 ; 95.72,35.56 D124.A4 ; D124.A4 97.86,35.56 ; D124.A4 96.79,36.63 ; D124.A4 96.79,34.49 ; DPS2.C01 203.47,411.28 ; DPS2.C01 202.4,410.21 ; DPS2.C01 203.47,409.14 ; DPS2.C01 204.54,410.21 ; D115.A15 167.91,376.99 ; D115.A15 166.84,375.92 ; D115.A15 167.91,374.85 ; D115.A15 168.98,375.92 ; 29.68,391.16 D232.B11 ; D232.B11 31.82,391.16 ; D232.B11 30.75,390.09 ; D232.B11 30.75,392.23 ; D103.B3 168.98,58.42 ; D103.B3 167.91,59.49 ; D103.B3 167.91,57.35 ; D103.B3 166.84,58.42 ; D114.A7 189.3,355.6 ; D114.A7 187.16,355.6 ; D114.A7 188.23,354.53 ; D114.A7 188.23,356.67 ; 106.95,367.23 D227.B10 ; D227.B10 105.88,368.3 ; D227.B10 108.02,368.3 ; D227.B10 106.95,369.37 ; D107.A9 256.81,54.41 ; D107.A9 255.74,53.34 ; D107.A9 257.88,53.34 ; D107.A9 256.81,52.27 ; D124.A1 90.24,33.02 ; D124.A1 89.17,34.09 ; D124.A1 88.1,33.02 ; D124.A1 89.17,31.95 ; D120.A7 31.82,33.02 ; D120.A7 30.75,31.95 ; D120.A7 29.68,33.02 ; D120.A7 30.75,34.09 ; 164.3,388.62 D116.B16 ; D116.B16 165.37,389.69 ; D116.B16 165.37,387.55 ; D116.B16 166.44,388.62 ; D105.A13 266.97,95.05 ; D105.A13 266.97,92.91 ; D105.A13 265.9,93.98 ; D105.A13 268.04,93.98 ; 128.74,375.92 D227.A1 ; D227.A1 129.81,376.99 ; D227.A1 130.88,375.92 ; D227.A1 129.81,374.85 ; 89.17,405.33 D428.A17 ; D428.A17 89.17,407.47 ; D428.A17 88.1,406.4 ; D428.A17 90.24,406.4 ; 108.42,350.52 CSDPS226.C9 ; CSDPS226.C9 110.56,350.52 ; CSDPS226.C9 109.49,349.45 ; CSDPS226.C9 109.49,351.59 ; D106.B7 251.73,79.81 ; D106.B7 252.8,78.74 ; D106.B7 250.66,78.74 ; D106.B7 251.73,77.67 ; D113.B8 185.69,328.73 ; D113.B8 185.69,326.59 ; D113.B8 184.62,327.66 ; D113.B8 186.76,327.66 ; 48.98,361.14 UHC430.G2_6 ; UHC430.G2_6 48.17,361.95 ; UHC430.G2_6 49.79,361.95 ; UHC430.G2_6 48.98,362.76 ; D432.A5 45.99,407.47 ; D432.A5 47.06,406.4 ; D432.A5 45.99,405.33 ; D432.A5 44.92,406.4 ; D119.A4 24.2,55.88 ; D119.A4 23.13,54.81 ; D119.A4 23.13,56.95 ; D119.A4 22.06,55.88 ; 253.2,101.6 D105.B8 ; D105.B8 254.27,100.53 ; D105.B8 254.27,102.67 ; D105.B8 255.34,101.6 ; 240.5,38.1 D108.B3 ; D108.B3 242.64,38.1 ; D108.B3 241.57,37.03 ; D108.B3 241.57,39.17 ; 177,58.42 D103.B7 ; D103.B7 178.07,59.49 ; D103.B7 178.07,57.35 ; D103.B7 179.14,58.42 ; D101.B13 194.38,99.06 ; D101.B13 193.31,97.99 ; D101.B13 192.24,99.06 ; D101.B13 193.31,100.13 ; D106.B11 262.96,78.74 ; D106.B11 261.89,77.67 ; D106.B11 261.89,79.81 ; D106.B11 260.82,78.74 ; 89.17,12.9 DPS3.A01 ; DPS3.A01 89.17,15.04 ; DPS3.A01 88.1,13.97 ; DPS3.A01 90.24,13.97 ; D119.B11 41.98,58.42 ; D119.B11 40.91,57.35 ; D119.B11 40.91,59.49 ; D119.B11 39.84,58.42 ; D115.B7 189.3,370.84 ; D115.B7 188.23,369.77 ; D115.B7 187.16,370.84 ; D115.B7 188.23,371.91 ; 98.26,350.52 CSDPS226.C13 ; CSDPS226.C13 99.33,349.45 ; CSDPS226.C13 100.4,350.52 ; CSDPS226.C13 99.33,351.59 ; 240.5,370.84 D111.B15 ; D111.B15 242.64,370.84 ; D111.B15 241.57,371.91 ; D111.B15 241.57,369.77 ; D119.B9 36.9,58.42 ; D119.B9 35.83,59.49 ; D119.B9 35.83,57.35 ; D119.B9 34.76,58.42 ; KS3.7 41.77,149.1 ; KS3.7 39.54,149.1 ; KS3.7 40.66,150.22 ; KS3.7 40.66,147.98 ; 118.58,33.02 D124.A13 ; D124.A13 120.72,33.02 ; D124.A13 119.65,34.09 ; D124.A13 119.65,31.95 ; CSDPS429.B16 19.12,342.9 ; CSDPS429.B16 18.05,343.97 ; CSDPS429.B16 16.98,342.9 ; CSDPS429.B16 18.05,341.83 ; 43.57,361.95 UHC430.G2_8 ; UHC430.G2_8 45.19,361.95 ; UHC430.G2_8 44.38,362.76 ; UHC430.G2_8 44.38,361.14 ; 93.18,58.42 D123.B3 ; D123.B3 94.25,57.35 ; D123.B3 95.32,58.42 ; D123.B3 94.25,59.49 ; 112.03,34.49 D124.A10 ; D124.A10 112.03,36.63 ; D124.A10 113.1,35.56 ; D124.A10 110.96,35.56 ; 192.24,350.52 D114.B5 ; D114.B5 194.38,350.52 ; D114.B5 193.31,349.45 ; D114.B5 193.31,351.59 ; 193.31,354.53 D114.A5 ; D114.A5 193.31,356.67 ; D114.A5 194.38,355.6 ; D114.A5 192.24,355.6 ; 98.26,375.92 D227.A13 ; D227.A13 100.4,375.92 ; D227.A13 99.33,376.99 ; D227.A13 99.33,374.85 ; D104.B11 189.3,38.1 ; D104.B11 188.23,39.17 ; D104.B11 188.23,37.03 ; D104.B11 187.16,38.1 ; 113.5,381 D427.B7 ; D427.B7 114.57,382.07 ; D427.B7 115.64,381 ; D427.B7 114.57,379.93 ; 112.03,59.89 D123.B10 ; D123.B10 113.1,60.96 ; D123.B10 112.03,62.03 ; D123.B10 110.96,60.96 ; 198.39,97.99 D101.B15 ; D101.B15 197.32,99.06 ; D101.B15 198.39,100.13 ; D101.B15 199.46,99.06 ; D102.B6 175.53,82.35 ; D102.B6 175.53,80.21 ; D102.B6 176.6,81.28 ; D102.B6 174.46,81.28 ; D431.B1 57.22,381 ; D431.B1 55.08,381 ; D431.B1 56.15,382.07 ; D431.B1 56.15,379.93 ; D227.A15 94.25,376.99 ; D227.A15 94.25,374.85 ; D227.A15 95.32,375.92 ; D227.A15 93.18,375.92 ; 43.45,34.49 D120.A12 ; D120.A12 44.52,35.56 ; D120.A12 43.45,36.63 ; D120.A12 42.38,35.56 ; D112.A14 245.18,393.7 ; D112.A14 243.04,393.7 ; D112.A14 244.11,392.63 ; D112.A14 244.11,394.77 ; D108.A8 255.34,35.56 ; D108.A8 254.27,36.63 ; D108.A8 253.2,35.56 ; D108.A8 254.27,34.49 ; 93.18,386.08 D427.A15 ; D427.A15 95.32,386.08 ; D427.A15 94.25,385.01 ; D427.A15 94.25,387.15 ; D101.A6 176.6,96.52 ; D101.A6 175.53,97.59 ; D101.A6 175.53,95.45 ; D101.A6 174.46,96.52 ; 251.73,37.03 D108.B7 ; D108.B7 252.8,38.1 ; D108.B7 250.66,38.1 ; D108.B7 251.73,39.17 ; 124.73,385.01 D427.A3 ; D427.A3 124.73,387.15 ; D427.A3 125.8,386.08 ; D427.A3 123.66,386.08 ; 197.32,58.42 D103.B15 ; D103.B15 199.46,58.42 ; D103.B15 198.39,57.35 ; D103.B15 198.39,59.49 ; 50,99.06 D117.B15 ; D117.B15 51.07,97.99 ; D117.B15 52.14,99.06 ; D117.B15 51.07,100.13 ; 48.17,355.29 UHC230.G3_1 ; UHC230.G3_1 48.98,354.48 ; UHC230.G3_1 49.79,355.29 ; UHC230.G3_1 48.98,356.1 ; 98.26,99.06 D121.B5 ; D121.B5 100.4,99.06 ; D121.B5 99.33,100.13 ; D121.B5 99.33,97.99 ; D106.A15 272.05,74.73 ; D106.A15 270.98,73.66 ; D106.A15 272.05,72.59 ; D106.A15 273.12,73.66 ; CSDPS226.C11 104.41,351.59 ; CSDPS226.C11 105.48,350.52 ; CSDPS226.C11 104.41,349.45 ; CSDPS226.C11 103.34,350.52 ; D231.A5 47.06,375.92 ; D231.A5 45.99,376.99 ; D231.A5 44.92,375.92 ; D231.A5 45.99,374.85 ; D121.B12 118.18,101.6 ; D121.B12 117.11,100.53 ; D121.B12 116.04,101.6 ; D121.B12 117.11,102.67 ; D106.B15 273.12,78.74 ; D106.B15 272.05,79.81 ; D106.B15 270.98,78.74 ; D106.B15 272.05,77.67 ; 272.05,31.95 D108.A15 ; D108.A15 272.05,34.09 ; D108.A15 273.12,33.02 ; D108.A15 270.98,33.02 ; D104.B16 200.93,41.71 ; D104.B16 200.93,39.57 ; D104.B16 202,40.64 ; D104.B16 199.86,40.64 ; 166.84,53.34 D103.A3 ; D103.A3 167.91,52.27 ; D103.A3 168.98,53.34 ; D103.A3 167.91,54.41 ; UHC430.G2_3 44.38,366.26 ; UHC430.G2_3 44.38,364.64 ; UHC430.G2_3 43.57,365.45 ; UHC430.G2_3 45.19,365.45 ; 40.91,395.17 D232.A7 ; D232.A7 40.91,397.31 ; D232.A7 39.84,396.24 ; D232.A7 41.98,396.24 ; 172.99,369.77 D115.B13 ; D115.B13 171.92,370.84 ; D115.B13 172.99,371.91 ; D115.B13 174.06,370.84 ; D228.B12 101.87,389.69 ; D228.B12 100.8,388.62 ; D228.B12 101.87,387.55 ; D228.B12 102.94,388.62 ; 20.59,57.35 D119.B3 ; D119.B3 19.52,58.42 ; D119.B3 20.59,59.49 ; D119.B3 21.66,58.42 ; UHC230.G4_4 18.03,354.35 ; UHC230.G4_4 17.22,353.54 ; UHC230.G4_4 18.84,353.54 ; UHC230.G4_4 18.03,352.73 ; 124.73,400.25 D428.B3 ; D428.B3 124.73,402.39 ; D428.B3 125.8,401.32 ; D428.B3 123.66,401.32 ; D228.B10 106.95,389.69 ; D228.B10 106.95,387.55 ; D228.B10 105.88,388.62 ; D228.B10 108.02,388.62 ; 123.66,13.97 DPS3.A15 ; DPS3.A15 124.73,12.9 ; DPS3.A15 125.8,13.97 ; DPS3.A15 124.73,15.04 ; 236.49,12.9 DPS1.A01 ; DPS1.A01 235.42,13.97 ; DPS1.A01 237.56,13.97 ; DPS1.A01 236.49,15.04 ; D117.B5 26.74,99.06 ; D117.B5 25.67,100.13 ; D117.B5 24.6,99.06 ; D117.B5 25.67,97.99 ; D107.A3 242.64,53.34 ; D107.A3 241.57,54.41 ; D107.A3 241.57,52.27 ; D107.A3 240.5,53.34 ; DPS8.B11 30.75,413.82 ; DPS8.B11 30.75,411.68 ; DPS8.B11 29.68,412.75 ; DPS8.B11 31.82,412.75 ; 16.07,365.45 UHC430.G1_2 ; UHC430.G1_2 16.88,366.26 ; UHC430.G1_2 16.88,364.64 ; UHC430.G1_2 17.69,365.45 ; D121.B8 108.02,101.6 ; D121.B8 106.95,102.67 ; D121.B8 106.95,100.53 ; D121.B8 105.88,101.6 ; D113.B6 191.84,327.66 ; D113.B6 189.7,327.66 ; D113.B6 190.77,326.59 ; D113.B6 190.77,328.73 ; 19.18,354.48 UHC230.G4_1 ; UHC230.G4_1 19.18,356.1 ; UHC230.G4_1 18.37,355.29 ; UHC230.G4_1 19.99,355.29 ; 114.57,349.45 CSDPS226.C7 ; CSDPS226.C7 113.5,350.52 ; CSDPS226.C7 115.64,350.52 ; CSDPS226.C7 114.57,351.59 ; 34.76,401.32 D432.B9 ; D432.B9 35.83,402.39 ; D432.B9 35.83,400.25 ; D432.B9 36.9,401.32 ; D102.B7 178.07,79.81 ; D102.B7 179.14,78.74 ; D102.B7 178.07,77.67 ; D102.B7 177,78.74 ; D116.A14 170.45,394.77 ; D116.A14 170.45,392.63 ; D116.A14 169.38,393.7 ; D116.A14 171.52,393.7 ; D104.A12 190.77,36.63 ; D104.A12 190.77,34.49 ; D104.A12 191.84,35.56 ; D104.A12 189.7,35.56 ; D121.A8 108.02,96.52 ; D121.A8 106.95,95.45 ; D121.A8 106.95,97.59 ; D121.A8 105.88,96.52 ; 180.61,387.55 D116.B10 ; D116.B10 179.54,388.62 ; D116.B10 181.68,388.62 ; D116.B10 180.61,389.69 ; CSDPS426.C1 130.88,360.68 ; CSDPS426.C1 129.81,359.61 ; CSDPS426.C1 129.81,361.75 ; CSDPS426.C1 128.74,360.68 ; 44.92,396.24 D232.A5 ; D232.A5 45.99,395.17 ; D232.A5 45.99,397.31 